# Altium PCB motherboard.PcbDoc (part 2 of 2)
Units mm, origin at the board's own origin, x right, y up, seen from the top; angles counter-clockwise.
Board outline 107.57 x 80.64 mm, 2 copper layers (Top Layer, Bottom Layer); 76 components, 68 nets, 352 pads, 475 vias.
Unrouted connection lines stored in the file: 17.
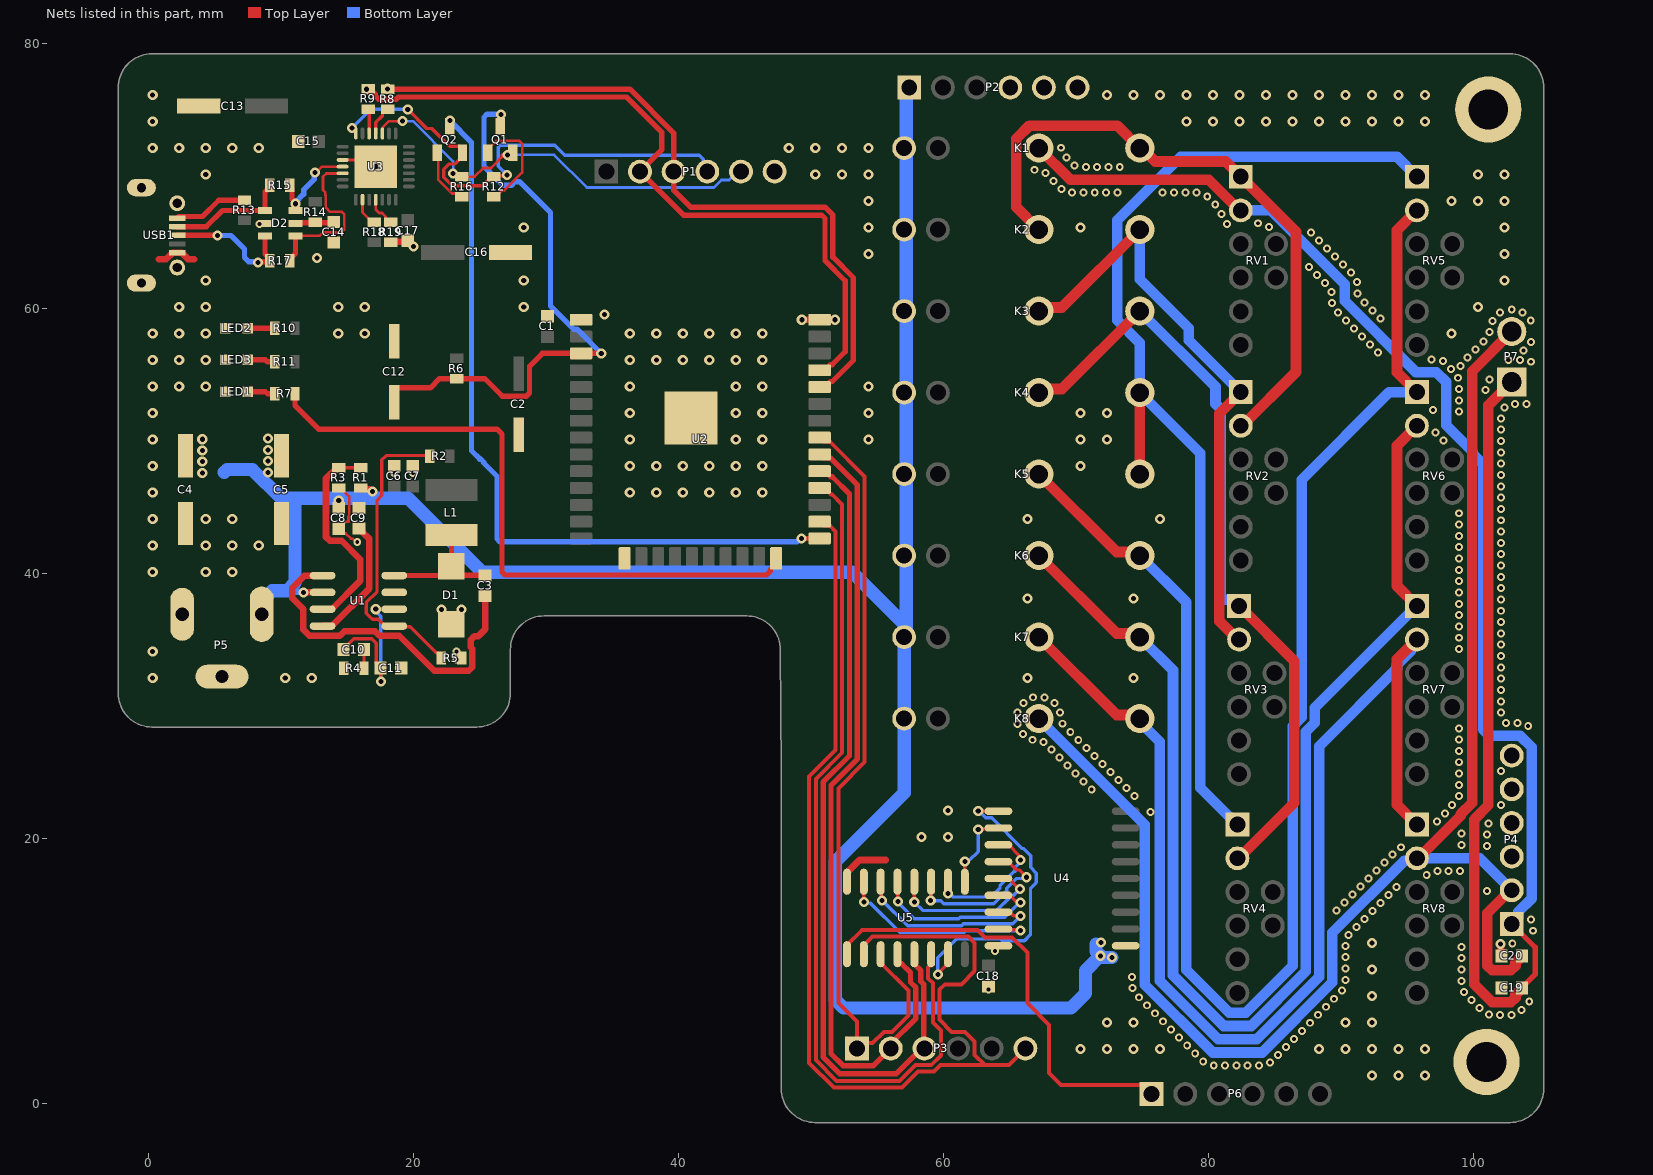
[diagram p2: the nets of this part, all layers, seen from the top]

## Via types
v1: diameter 0.6, hole 0.3, Top Layer to Bottom Layer, tented both sides, 239 vias
v2: diameter 0.762, hole 0.381, Top Layer to Bottom Layer, tented both sides, 236 vias

## Nets (pads, with @x,y where several pads share a name; then routed paths per layer and width w, separated by ;. In a path a pad name is that pad's centre, name@x,y a point inside that pad or via, vN(x,y) a via of type N, cw(c..) or ccw(c..) an arc to the next point about the centre after c; other vN are vias at no path point) (continued)
+12V: C4.1 C5.1 C8.1 K1.1 K2.1 K3.1 K4.1 K5.1 K6.1 K7.1 K8.1 P2.1 P5.1 R1.1 U1.2 U4.10 | length 170.2
  Top Layer w0.254: U4.10@72.995,11.938 U4.10@73.735,11.938
  Top Layer w0.5: C4.1@2.469,49.276 2.794,48.951 C4.1@2.794,48.925 2.794,47.95 C4.1@3.119,47.625 ; v2(11.684,38.608) U1.2@13.132,38.608 ; R1.1@16.002,46.482 16.107,46.376 16.672,46.376 16.82,46.228 v2(16.891,46.228)
  Bottom Layer w0.5: 10.463,38.735 10.553,38.645 11.647,38.645 v2(11.684,38.608)
  Bottom Layer w1: 5.715,47.667 5.927,47.879 7.84,47.879 9.999,45.72 11.049,45.72 ; P5.1@8.54,36.957 8.54,37.941 9.334,38.735 10.463,38.735 11.049,39.321 11.049,45.72 ; P2.1@57.404,76.708 57.176,76.48 57.176,35.386 K7.1@57.023,35.233 ; 71.501,12.065 71.501,11.5 v2@71.817,11.184 ; v2@71.682,11.049 v2(72.713,11.049) ; v2(71.849,11.184) v2@71.817,11.184 ; 11.049,45.72 19.584,45.72 25.172,40.132 53.086,40.132 57.023,36.195 K7.1@57.023,35.233 ; K7.1@57.023,35.233 K8.1@57.023,29.083 57.023,23.495 51.816,18.288 51.816,7.874 52.451,7.239 69.596,7.239 70.706,8.349 70.706,10.074 v2@71.817,11.184
  other v2: 71.882,12.192 14.351,45.545 4.055,47.625 9.017,47.667 4.055,48.472 9.017,48.514 4.055,49.318 9.017,49.361 4.055,50.165 9.017,50.207
CLCK: P3.1 U2.30 U5.11 | length 59.6
  Top Layer w0.3: U2.30@50.639,50.292 50.939,49.992 51.406,49.992 54.039,47.359 54.039,25.803 52.054,23.818 52.054,12.257 52.054,7.636 53.467,6.223 P3.1@53.467,4.191 53.869,4.593 54.641,4.593 55.489,5.441 56.1,5.441 57.35,6.691 57.35,8.554 55.245,10.659 U5.11@55.245,11.303
D_N: D2.4 R17.2 U3.5 | length 12.7
  Top Layer w0.2: D2.4@11.084,65.511 12.905,65.511 13.164,65.771 14.549,65.771 14.755,65.977 14.755,67.145 14.579,67.321 13.708,67.321 13.381,67.648 13.381,68.552 13.338,68.595 13.338,68.788 13.162,68.964 13.162,69.974 13.411,70.223 14.63,70.223 U3.5@14.645,70.239
  Top Layer w0.4: R17.2@10.668,63.627 10.668,63.78 11.084,64.195 D2.4@11.084,65.511
D_P: D2.6 R15.2 U3.4 | length 7.4
  Top Layer w0.2: v2(12.567,70.305) 12.662,70.305 13.096,70.739 U3.4@14.645,70.739
  Top Layer w0.4: R15.2@10.668,69.342 10.668,69.19 10.824,69.034 10.824,68.294 11.083,68.035 v2(11.083,67.937) ; D2.6@11.084,67.411 11.13,67.457 v2@11.13,67.937
  Bottom Layer w0.4: v2(11.083,67.937) 11.083,68.035 11.706,68.658 11.706,68.983 12.497,69.774 12.497,70.236 v2(12.567,70.305)
DATA: U2.27 U5.14 | length 64
  Top Layer w0.3: U2.27@50.639,46.482 51.039,46.482 51.509,46.012 51.576,46.012 52.339,45.249 52.339,26.507 50.354,24.522 50.354,3.312 51.925,1.741 56.66,1.741 57.86,2.941 59.065,2.941 59.797,3.673 59.797,5.546 59.19,6.153 59.19,9.118 58.832,9.476 58.832,10.314 59.055,10.537 U5.14@59.055,11.303
DTR: P1.4 Q2.2 R12.2 U3.28 | length 37.9
  Top Layer w0.254: v2(19.558,75.057) 21.001,73.614 21.377,73.614 22.722,72.269 23.46,72.269 23.683,72.046 23.683,71.496 23.126,70.939 22.694,70.939 22.279,70.524 22.279,69.938 22.731,69.486 22.787,69.486 22.978,69.294 25.2,69.294 25.882,69.977 R12.2@26.035,69.977 26.098,70.04 26.987,70.04 v2(27.051,70.104)
  Bottom Layer w0.254: v2(15.367,73.66) 16.764,75.057 v2(19.558,75.057) ; v2(27.051,70.104) 26.377,70.778 26.377,72.187 26.526,72.336 30.661,72.336 31.412,71.585 41.572,71.585 41.868,71.289 41.868,70.654 P1.4@42.164,70.358
EN: C12.1 Q1.3 R6.2 U2.2 | length 45
  Top Layer w0.4: C12.1@18.542,52.945 18.542,53.845 18.742,54.045 21.267,54.045 21.959,54.737 R6.2@23.241,54.737 25.368,54.737 26.687,53.418 28.506,53.418 28.74,53.652 28.74,55.664 29.718,56.642 U2.2@32.639,56.642 v2(34.163,56.642) ; Q1.3@26.543,73.771 26.571,73.799 26.571,74.629 v2(26.599,74.657)
  Bottom Layer w0.4: v2(26.599,74.657) 26.563,74.694 25.542,74.694 25.308,74.459 25.308,70.743 26.728,69.323 27.374,69.323 27.656,69.604 27.987,69.604 30.324,67.267 30.324,60.227 32.082,58.469 32.336,58.469 v2(34.163,56.642)
GND: C1.2 C2.2 C4.2 C5.2 C6.2 C7.2 C8.2 C9.2 C11.2 C12.2 C13.2 C14.2 C15.2 C16.2 C17.2 C18.2 C19.2 C20.2 D1.2 D2.2 LED1.1 LED2.1 LED3.1 P1.6 P2.4 P2.5 P2.6 P5.2 P5.3 pad.MH R3.2 R4.2 R5.2 R19.1 U1.7 U2.0 U2.14 U2.37 U2.38 U3.3 U3.29 U4.9 U5.8 USB1.0 USB1.5 | length 22.1
  Top Layer w0.2: R3.2@14.351,46.482 14.504,46.482 15.136,45.85 15.136,44.374 15.09,44.328 15.09,43.942 14.91,43.942 14.376,43.408 C8.2@14.351,43.408 14.711,43.048 14.879,43.048 15.266,42.661 15.397,42.661 15.64,42.418 v1(15.748,42.418) ; U3.3@14.645,71.239 16.645,71.239 v2(17.145,70.739) ; C9.2@15.734,45.112 C9.2@15.875,44.971 ; v1(18.542,47.625) C6.2@18.542,48.146 ; v1(19.939,47.625) C7.2@19.939,48.146
  Top Layer w0.5: 0.762,63.754 1.341,63.754 1.834,64.247 USB1.5@2.159,64.247 2.484,64.247 2.977,63.754 3.429,63.754 ; R19.1@18.288,65.024 18.345,65.081 19.64,65.081 19.984,64.737 v2(19.984,64.701) ; v2(49.295,59.182) v2(51.797,59.182) ; U5.8@52.705,16.774 52.705,17.458 53.662,18.415 55.626,18.415 ; v2(102.016,12.065) 102.055,12.026 102.055,11.216 C20.2@102.095,11.176
  other v1: 80.383,2.909 81.237,2.909 82.091,2.909 82.945,2.909 83.799,2.909 84.627,3.119 79.589,3.223 85.24,3.713 78.985,3.827 85.844,4.317 78.381,4.43 86.448,4.921 77.777,5.034 87.052,5.525 77.173,5.638 87.655,6.129 76.569,6.242 101.995,6.705 102.849,6.714 88.259,6.733 101.142,6.743 75.966,6.846 103.608,7.107 100.448,7.241 88.863,7.337 75.362,7.45 104.191,7.73 99.844,7.845 89.467,7.941 74.758,8.054 99.254,8.462 90.063,8.552 63.373,8.636 74.252,8.742 99.062,9.294 90.309,9.37 74.211,9.595 99.062,10.148 90.309,10.224 99.062,11.002 90.309,11.078 63.881,11.557 99.062,11.856 90.309,11.932 102.91,12.124 90.55,12.751 104.473,13.073 91.154,13.355 104.335,13.916 91.758,13.959 92.361,14.563 89.634,14.586 92.965,15.167 90.238,15.19 93.569,15.771 90.842,15.794 101.008,16.061 94.173,16.374 91.446,16.398 92.049,17.002 96.455,17.28 97.258,17.569 98.112,17.569 98.966,17.569 92.653,17.606 93.257,18.21 93.861,18.814 94.505,19.375 101.008,19.477 99.062,19.542 101.008,20.331 99.062,20.396 101.124,21.177 97.213,21.31 97.817,21.914 75.594,22.048 102.075,22.561 98.357,22.575 98.907,23.229 74.386,23.255 71.174,23.716 73.782,23.859 98.907,24.083 70.571,24.32 73.179,24.463 69.967,24.924 98.907,24.937 72.575,25.067 102.075,25.123 69.363,25.528 71.971,25.671 98.907,25.791 68.759,26.131 71.367,26.275 98.907,26.645 68.155,26.735 70.763,26.879 67.541,27.329 66.701,27.485 70.159,27.482 98.907,27.499 65.974,27.933 69.555,28.086 98.907,28.353 104.115,28.526 65.565,28.683 68.957,28.695 102.44,28.762 103.294,28.762 65.58,29.537 68.787,29.532 102.075,29.534 66.015,30.271 68.353,30.268 102.075,30.388 66.758,30.693 67.612,30.692 102.075,31.242 102.075,32.096 102.075,32.95 23.241,33.528 102.075,33.804 23.241,34.163 98.907,34.331 102.075,34.658 98.907,35.185 102.075,35.512 98.907,36.039 102.075,36.366 98.907,36.893 102.075,37.22 98.907,37.747 102.075,38.074 98.907,38.601 102.075,38.928 98.907,39.455 102.075,39.782 98.907,40.309 102.075,40.636 98.907,41.163 102.075,41.49 98.907,42.017 102.075,42.344 98.907,42.871 102.075,43.198 98.907,43.725 102.075,44.052 98.907,44.579 102.075,44.906 102.075,45.76 102.075,46.614 102.075,47.468 102.075,48.322 102.075,49.176 102.075,50.03 97.711,50.055 97.124,50.676 102.075,50.884 102.075,51.738 98.89,52.244 96.944,52.365 102.319,52.556 103.132,52.818 103.986,52.821 98.89,53.098 100.88,53.868 98.89,53.952 101.205,54.658 98.825,54.803 98.299,55.476 98.993,55.676 104.326,56.011 97.67,56.053 102.629,56.148 103.483,56.148 96.827,56.194 99.536,56.335 92.793,56.7 103.742,56.871 100.14,56.939 92.189,57.304 104.331,57.489 100.744,57.543 91.585,57.908 101.203,58.263 90.981,58.511 101.406,59.092 90.377,59.115 104.304,59.14 92.957,59.286 89.773,59.719 101.993,59.713 103.696,59.739 92.353,59.89 102.87,59.958 89.307,60.434 91.75,60.494 91.228,61.17 89.282,61.288 88.765,61.968 91.205,62.024 88.161,62.572 90.742,62.742 87.557,63.175 90.138,63.346 89.534,63.949 88.931,64.553 88.327,65.157 87.723,65.761 84.538,66.195 8.382,66.421 81.371,66.418 83.728,66.464 80.98,67.177 80.496,67.88 79.892,68.484 69.695,68.776 70.549,68.776 71.403,68.776 72.257,68.776 73.111,68.776 76.527,68.776 77.381,68.776 78.235,68.776 79.089,68.776 68.889,69.057 68.284,69.659 67.68,70.263 66.859,70.499 70.727,70.721 71.581,70.721 72.435,70.721 73.289,70.721 69.878,70.817 69.274,71.42 68.849,72.161
  other v2: 92.314,2.153 94.314,2.153 96.314,2.153 70.314,4.153 72.314,4.153 74.314,4.153 76.314,4.153 88.314,4.153 90.314,4.153 92.314,4.153 94.314,4.153 96.314,4.153 72.314,6.153 74.314,6.153 90.314,6.153 92.314,6.153 92.314,8.153 92.314,10.153 92.314,12.153 58.314,20.153 60.314,20.153 60.314,22.153 0.314,32.153 10.314,32.153 12.314,32.153 66.314,32.153 74.314,32.153 0.314,34.153 22.098,37.312 23.622,37.312 66.314,38.153 74.314,38.153 0.314,40.153 4.314,40.153 6.314,40.153 0.314,42.153 4.314,42.153 6.314,42.153 8.314,42.153 0.314,44.153 4.314,44.153 6.314,44.153 66.314,44.153 76.314,44.153 0.314,46.153 36.314,46.153 38.314,46.153 40.314,46.153 42.314,46.153 44.314,46.153 46.314,46.153 0.314,48.153 36.314,48.153 38.314,48.153 40.314,48.153 42.314,48.153 44.314,48.153 46.314,48.153 70.314,48.153 0.314,50.153 36.314,50.153 44.314,50.153 46.314,50.153 54.314,50.153 70.314,50.153 72.314,50.153 0.314,52.153 36.314,52.153 44.314,52.153 46.314,52.153 54.314,52.153 70.314,52.153 72.314,52.153 0.314,54.153 2.314,54.153 4.314,54.153 36.314,54.153 44.314,54.153 46.314,54.153 54.314,54.153 0.314,56.153 2.314,56.153 4.314,56.153 36.314,56.153 38.314,56.153 40.314,56.153 42.314,56.153 44.314,56.153 46.314,56.153 0.314,58.153 2.314,58.153 4.314,58.153 14.314,58.153 16.314,58.153 36.314,58.153 38.314,58.153 40.314,58.153 42.314,58.153 44.314,58.153 46.314,58.153 98.314,58.153 34.419,59.565 2.314,60.153 4.314,60.153 14.314,60.153 16.314,60.153 28.314,60.153 100.314,60.153 4.314,62.153 28.314,62.153 102.314,62.153 12.7,63.855 54.314,64.153 102.314,64.153 28.314,66.153 54.314,66.153 70.314,66.153 102.314,66.153 54.314,68.153 98.314,68.153 100.314,68.153 102.314,68.153 4.314,70.153 50.314,70.153 52.314,70.153 54.314,70.153 100.314,70.153 102.314,70.153 0.314,72.153 2.314,72.153 4.314,72.153 6.314,72.153 8.314,72.153 48.314,72.153 50.314,72.153 52.314,72.153 54.314,72.153 0.314,74.153 78.314,74.153 80.314,74.153 82.314,74.153 84.314,74.153 86.314,74.153 88.314,74.153 90.314,74.153 92.314,74.153 94.314,74.153 96.314,74.153 0.314,76.153 72.314,76.153 74.314,76.153 76.314,76.153 78.314,76.153 80.314,76.153 82.314,76.153 84.314,76.153 86.314,76.153 88.314,76.153 90.314,76.153 92.314,76.153 94.314,76.153 96.314,76.153
GPIO0: Q2.3 U2.24 | length 58
  Top Layer w0.4: Q2.3@22.733,73.771 v2(22.733,74.203) ; v2(49.276,42.672) U2.24@50.639,42.672
  Bottom Layer w0.4: v2(22.733,74.203) 24.368,72.568 24.368,49.292 25,48.66 25.058,48.66 25.292,48.426 25.292,48.368 26.289,47.371 26.289,42.652 26.523,42.418 48.924,42.418 49.178,42.672 v2(49.276,42.672)
HCEN: P3.3 U2.28 U5.13 | length 62.7
  Top Layer w0.4: U2.28@50.639,47.752 51.039,47.752 51.459,47.332 51.597,47.332 52.889,46.04 52.889,26.279 50.904,24.294 50.904,3.54 52.153,2.291 56.432,2.291 58.332,4.191 P3.3@58.547,4.191 58.505,4.233 58.505,9.025 58.282,9.248 58.282,10.067 57.785,10.564 U5.13@57.785,11.303
HCRST: P3.6 U2.25 U5.10 | length 83.3
  Top Layer w0.3: U2.25@50.639,43.942 50.939,43.642 51.406,43.642 51.839,43.209 51.839,26.714 49.854,24.729 49.854,3.105 51.718,1.241 56.867,1.241 58.067,2.441 59.272,2.441 59.772,2.941 63.109,2.941 ; U5.10@53.975,11.303 53.975,11.987 54.626,12.638 61.865,12.638 62.345,12.158 62.345,10.021 61.353,9.029 60.083,9.029 59.69,8.636 59.69,6.36 60.609,5.441 61.605,5.441 62.337,4.709 62.337,3.713 63.109,2.941 ; P3.6@66.167,4.191 64.917,2.941 63.109,2.941
LATCH: P3.2 U2.29 U5.12 | length 61.6
  Top Layer w0.4: U2.29@50.639,49.022 50.889,48.772 51.427,48.772 53.489,46.71 53.489,26.031 51.504,24.046 51.504,3.788 52.401,2.891 54.707,2.891 P3.2@56.007,4.191 56.007,4.57 57.9,6.463 57.9,8.781 57.495,9.187 57.495,9.918 56.832,10.58 56.608,10.58 56.515,10.673 U5.12@56.515,11.303
NetC3_1: C3.1 D1.1 L1.1 U1.8 | length 9.8
  Top Layer w0.4: U1.8@18.542,39.878 22.143,39.878 D1.1@22.86,40.595 ; L1.1@22.86,42.926 D1.1@22.86,40.595 ; C3.1@25.4,39.891 23.564,39.891 D1.1@22.86,40.595
NetC3_2: C3.2 U1.1 | length 26.6
  Top Layer w0.5: U1.1@13.132,39.878 13.119,39.865 11.766,39.865 10.853,38.952 10.853,38.169 11.684,37.338 11.684,35.787 12.137,35.334 14.441,35.334 14.786,35.679 17.09,35.679 17.436,35.334 18.919,35.334 21.556,32.697 24.164,32.697 24.428,32.961 24.428,34.349 24.31,34.467 24.31,35.013 24.603,35.306 24.892,35.306 25.4,35.814 C3.2@25.4,38.341
NetC9_1: C9.1 U1.4 | length 9.6
  Top Layer w0.5: U1.4@13.132,36.068 13.823,36.068 16.663,38.908 16.663,42.633 16.11,43.186 16.11,43.211 15.9,43.421 C9.1@15.875,43.421
NetC10_1: C10.1 C11.1 U1.6 | length 13
  Top Layer w0.254: C10.1@14.706,34.29 14.706,34.315 15.493,35.102 16.851,35.102 17.18,34.773 17.18,33.226 C11.1@17.513,32.893 17.526,32.88 v2(17.526,31.877) ; v2(17.145,37.338) U1.6@18.542,37.338
  Bottom Layer w0.254: v2(17.145,37.338) 17.145,37.201 17.526,36.82 v2(17.526,31.877)
NetC10_2: C10.2 R4.1 | length 1.5
  Top Layer w0.254: R4.1@16.256,32.741 R4.1@16.256,32.893 C10.2@16.256,34.29
NetC14_1: C14.1 D2.5 R14.2 | length 2.9
  Top Layer w0.4: D2.5@11.084,66.461 11.134,66.511 13.92,66.511 C14.1@13.97,66.561
NetD2_1: D2.1 R15.1 USB1.2 | length 9.2
  Top Layer w0.4: USB1.2@2.159,66.197 4.348,66.197 5.582,67.431 8.766,67.431 D2.1@8.786,67.411 8.786,68.831 9.144,69.19 R15.1@9.144,69.342
NetD2_3: D2.3 R17.1 USB1.3 | length 10.3
  Top Layer w0.4: USB1.3@2.159,65.547 5.192,65.547 v2(5.207,65.532) ; v2(8.255,63.5) 8.319,63.564 9.08,63.564 R17.1@9.144,63.627 9.144,63.78 8.786,64.138 D2.3@8.786,65.511
  Bottom Layer w0.4: v2(5.207,65.532) 6.223,65.532 7.239,64.516 7.239,63.881 7.367,63.753 7.551,63.569 8.186,63.569 v2(8.255,63.5)
NetK1_4: K1.4 K2.3 RV1.1 RV2.2 | length 48.8
  Top Layer w0.8: K2.3@67.183,65.986 65.483,67.686 65.483,72.84 66.479,73.836 73.103,73.836 K1.4@74.803,72.136 74.956,72.136 75.972,71.12 81.28,71.12 86.59,65.81 86.59,55.239 82.532,51.181 RV2.2@82.423,51.181
NetK2_4: K2.4 K3.3 RV2.1 RV3.2 | length 45.6
  Top Layer w0.8: K3.3@67.183,59.835 67.451,60.103 68.92,60.103 K2.4@74.803,65.986 ; RV3.2@82.296,35.052 82.187,35.052 80.796,36.443 80.796,52.094 RV2.1@82.423,53.721
  Bottom Layer w0.8: K2.4@74.803,65.986 74.803,62.239 78.497,58.545 78.497,57.647 RV2.1@82.423,53.721
NetK3_4: K3.4 K4.3 RV3.1 RV4.2 | length 58.7
  Top Layer w0.8: K4.3@67.183,53.685 67.451,53.953 68.92,53.953 K3.4@74.803,59.835 ; RV4.2@82.169,18.542 82.278,18.542 86.463,22.727 86.463,33.425 RV3.1@82.296,37.592
  Bottom Layer w0.8: K3.4@74.803,59.835 80.518,54.12 80.518,52.832 80.899,52.451 80.899,38.061 81.827,38.061 RV3.1@82.296,37.592
NetK4_4: K4.4 K5.4 RV4.1 RV5.1 | length 80.7
  Top Layer w0.8: K5.4@74.803,47.534 K4.4@74.803,53.685
  Bottom Layer w0.8: RV4.1@82.169,21.082 79.375,23.876 79.375,49.113 K4.4@74.803,53.685 74.803,57.431 73.103,59.131 73.103,66.69 77.89,71.477 94.212,71.477 RV5.1@95.712,69.977
NetK5_3: K5.3 K6.4 RV5.2 RV6.1 | length 117.1
  Top Layer w0.8: K5.3@67.183,47.534 73.066,41.652 74.535,41.652 K6.4@74.803,41.384 ; RV6.1@95.712,53.721 94.212,55.221 94.212,65.937 RV5.2@95.712,67.437
  Bottom Layer w0.8: K6.4@74.803,41.384 78.309,37.878 78.309,10.12 81.548,6.882 82.79,6.882 86.336,10.428 86.336,28.504 87.011,29.179 87.011,47.12 93.612,53.721 RV6.1@95.712,53.721
NetK6_3: K6.3 K7.4 RV6.2 RV7.1 | length 95.9
  Top Layer w0.8: K6.3@67.183,41.384 73.066,35.501 74.535,35.501 K7.4@74.803,35.233 ; RV7.1@95.712,37.592 94.212,39.092 94.212,49.681 RV6.2@95.712,51.181
  Bottom Layer w0.8: K7.4@74.803,35.233 77.309,32.727 77.309,9.706 81.133,5.882 83.205,5.882 87.336,10.013 87.336,13.741 87.336,28.09 88.011,28.765 88.011,29.891 RV7.1@95.712,37.592
NetK7_3: K7.3 K8.4 RV7.2 RV8.1 | length 90.1
  Top Layer w0.8: K7.3@67.183,35.233 73.066,29.351 74.535,29.351 K8.4@74.803,29.083 ; RV8.1@95.712,21.082 94.212,22.582 94.212,33.552 RV7.2@95.712,35.052
  Bottom Layer w0.8: K8.4@74.803,29.083 74.803,28.843 76.309,27.337 76.309,9.292 80.719,4.882 83.619,4.882 88.336,9.599 88.336,13.327 88.336,26.995 94.212,32.871 94.212,33.133 95.237,34.158 95.237,34.306 95.712,34.781 RV7.2@95.712,35.052
NetLED1_2: LED1.2 R7.1 | length 2.1
  Top Layer w0.4: LED1.2@7.493,53.738 8.825,53.738 8.969,53.594 R7.1@9.525,53.594
NetLED2_2: LED2.2 R10.1 | length 2
  Top Layer w0.4: LED2.2@7.493,58.547 8.969,58.547 ; 8.969,58.547 R10.1@9.525,58.547
NetLED3_2: LED3.2 R11.1 | length 2.1
  Top Layer w0.4: LED3.2@7.495,56.161 8.815,56.161 8.969,56.007 R11.1@9.525,56.007
NetQ1_1: Q1.1 R12.1 | length 8.3
  Top Layer w0.2: Q1.1@25.593,71.771 25.593,72.046 26.243,72.696 27.967,72.696 28.194,72.469 28.194,70.283 26.833,68.921 26.656,68.921 26.187,68.453 R12.1@26.035,68.453
NetQ2_1: Q2.1 R16.1 | length 4.4
  Top Layer w0.2: Q2.1@21.783,71.771 21.852,71.702 21.852,69.761 22.904,68.709 23.366,68.709 R16.1@23.622,68.453
NetR1_2: R1.2 R3.1 U1.3 | length 16
  Top Layer w0.254: R3.1@14.351,48.006 R1.2@16.002,48.006
  Top Layer w0.5: U1.3@13.132,37.338 13.823,37.338 15.963,39.478 15.963,41.109 14.574,42.498 13.68,42.498 13.393,42.784 13.393,47.2 14.199,48.006 R3.1@14.351,48.006
NetR2_2: R2.2 R5.1 U1.5 | length 23
  Top Layer w0.254: R2.2@21.209,48.895 21.171,48.933 17.922,48.933 17.599,48.61 17.599,45.935 17.24,45.576 17.24,38.669 16.437,37.866 16.437,37.045 16.895,36.586 17.333,36.586 17.851,36.068 U1.5@18.542,36.068 18.602,36.008 19.745,36.008 21.717,34.036 21.869,34.036 22.098,33.807 R5.1@22.098,33.655
NetR8_2: R8.2 U3.25 | length 2.3
  Top Layer w0.254: U3.25@17.145,73.239 17.145,74.07 17.654,74.579 17.654,74.833 17.883,75.062 R8.2@18.035,75.062
NetR9_2: R9.2 U3.26 | length 1.9
  Top Layer w0.2: R9.2@16.567,75.078 R9.2@16.645,75.001
  Top Layer w0.254: U3.26@16.645,73.239 R9.2@16.645,75.001
NetR13_2: R13.2 USB1.1 | length 5.5
  Top Layer w0.4: USB1.1@2.286,66.972 4.073,66.972 5.3,68.199 R13.2@7.239,68.199
NetR18_2: R18.2 U3.9 | length 2.1
  Top Layer w0.2: U3.9@16.144,68.239 16.144,67.269 16.865,66.548 R18.2@17.018,66.548
NetR19_2: R19.2 U3.11 | length 2.4
  Top Layer w0.2: U3.11@17.145,68.239 17.145,67.489 17.403,67.231 17.622,67.231 17.88,66.974 17.88,66.804 18.135,66.548 R19.2@18.288,66.548
NetU4_1: U4.1 U5.15 | length 24.1
  Top Layer w0.254: v2(59.563,9.779) 59.563,9.818 60.325,10.58 U5.15@60.325,11.303 ; v2(62.611,22.098) U4.1@64.135,22.098
  Bottom Layer w0.254: v2(59.563,9.779) 59.563,11.049 60.96,12.446 64.293,12.446 64.42,12.319 66.102,12.319 66.55,12.768 66.55,16.258 67.002,16.71 67.002,17.426 66.572,17.856 66.572,18.74 66.036,19.276 65.941,19.276 63.627,21.59 63.181,21.59 62.673,22.098 v2(62.611,22.098)
NetU4_2: U4.2 U5.1 | length 6.1
  Top Layer w0.254: U5.1@61.595,16.774 v2(61.595,18.288) ; v2(62.611,20.701) 62.679,20.769 64.076,20.769 U4.2@64.135,20.828
  Bottom Layer w0.254: v2(61.595,18.288) 61.692,18.385 61.946,18.385 62.611,19.05 v2(62.611,20.701)
NetU4_3: U4.3 U5.2 | length 10.3
  Top Layer w0.254: v2(60.325,15.875) U5.2@60.325,16.774 ; U4.3@64.135,19.558 64.905,19.558 65.713,18.75 65.713,18.521 v2(65.81,18.424)
  Bottom Layer w0.254: v2(60.325,15.875) 60.462,15.875 60.716,15.621 63.565,15.621 64.257,16.313 64.257,16.505 65.273,17.521 65.349,17.521 65.402,17.575 65.402,17.879 65.81,18.287 v2(65.81,18.424)
NetU4_4: U4.4 U5.3 | length 12.3
  Top Layer w0.254: v2(59.024,15.367) 59.04,15.382 59.04,16.759 U5.3@59.055,16.774 ; U4.4@64.135,18.288 64.868,18.288 65.498,17.659 65.692,17.659 v2(66.24,17.111)
  Bottom Layer w0.254: v2(59.024,15.367) 59.055,15.336 59.786,15.336 60.009,15.113 63.798,15.113 64.765,16.08 64.765,16.295 65.484,17.013 66.142,17.013 v2(66.24,17.111)
NetU4_5: U4.5 U5.4 | length 12.4
  Top Layer w0.254: v2(57.785,15.24) U5.4@57.785,16.774 ; U4.5@64.135,17.018 64.905,17.018 65.709,16.214 v2(65.762,16.214)
  Bottom Layer w0.254: v2(57.785,15.24) 58.42,14.605 64.008,14.605 65.061,15.658 65.17,15.658 65.726,16.214 v2(65.762,16.214)
NetU4_6: U4.6 U5.5 | length 13.7
  Top Layer w0.254: U5.5@56.515,16.774 56.53,16.759 56.53,15.286 v2(56.546,15.271) ; U4.6@64.135,15.748 64.988,15.748 65.44,15.295 65.691,15.295 v2(65.788,15.198)
  Bottom Layer w0.254: v2(56.546,15.271) 56.546,15.209 57.785,13.97 61.138,13.97 61.265,14.097 64.618,14.097 65.719,15.198 v2(65.788,15.198)
NetU4_7: U4.7 U5.6 | length 14.8
  Top Layer w0.254: U5.6@55.245,16.774 55.303,16.716 55.303,15.415 v2(55.362,15.357) ; U4.7@64.135,14.478 64.988,14.478 65.272,14.194 65.689,14.194 v2@65.786,14.097
  Bottom Layer w0.254: v2(55.362,15.357) 55.382,15.357 57.277,13.462 61.348,13.462 61.475,13.589 65.202,13.589 v2(65.786,14.173)
NetU4_8: U4.8 U5.7 | length 16
  Top Layer w0.254: v2(53.975,15.24) U5.7@53.975,16.774 ; U4.8@64.135,13.208 64.194,13.149 65.718,13.149 v2(65.786,13.081)
  Bottom Layer w0.254: v2(53.975,15.24) 54.047,15.168 54.473,15.168 56.686,12.954 61.559,12.954 61.686,13.081 v2(65.786,13.081)
Q*1: P6.1 U5.9 | length 33.6
  Top Layer w0.3: U5.9@52.705,11.303 52.705,11.987 53.856,13.138 62.544,13.138 63.104,12.578 65.156,12.578 66.315,11.419 66.315,7.604 67.945,5.974 67.945,2.335 68.858,1.422 75.032,1.422 P6.1@75.692,0.762
RTS: P1.5 Q1.2 R16.2 U3.24 | length 32.7
  Top Layer w0.2: U3.24@17.645,73.239 17.661,73.254 17.661,73.686 18.143,74.168 v2(19.177,74.168) ; v2(22.987,70.231) 23.368,70.231 R16.2@23.622,69.977 24.614,69.977 25.27,70.633 25.854,70.633 26.455,71.234 26.455,71.261 26.67,71.476 26.67,71.628 27.35,71.628 Q1.2@27.493,71.771
  Bottom Layer w0.2: v2(19.177,74.168) 19.939,74.168 22.987,71.12 v2(22.987,70.231) ; v2(27.085,71.628) 30.607,71.628 33.077,69.158 42.661,69.158 43.226,69.723 43.808,69.723 44.443,70.358 P1.5@44.704,70.358
RXD: P1.3 R8.1 U2.33 | length 55.1
  Top Layer w0.4: R8.1@18.035,76.586 18.034,76.587 v2(18.034,76.611) 18.059,76.586 36.317,76.586 39.624,73.279 39.624,68.961 40.908,67.677 51.053,67.677 51.639,67.091 51.639,63.906 53.178,62.367 53.178,56.103 51.597,54.522 51.459,54.522 51.039,54.102 U2.33@50.639,54.102
STAT_LED: R7.2 U2.23 | length 49.4
  Top Layer w0.4: R7.2@11.049,53.594 11.049,52.705 12.827,50.927 26.289,50.927 26.67,50.546 26.67,40.156 26.904,39.922 46.642,39.922 46.934,40.214 46.934,40.352 47.354,40.772 U2.23@47.354,41.172
TERMA: C19.1 K1.3 P4.1 P7.1 RV1.2 | length 141.7
  Top Layer w0.4: P4.1@102.87,13.589 104.633,11.826 104.633,9.776 C19.1@103.645,8.788
  Top Layer w0.8: K1.3@67.183,72.136 69.571,69.748 80.003,69.748 82.314,67.437 RV1.2@82.423,67.437 ; P7.1@102.87,54.483 101.103,52.716 101.103,22.532 100.035,21.464 100.035,9.029 101.386,7.678 102.804,7.678 103.155,8.029 103.155,8.248 103.585,8.678 103.585,8.703 C19.1@103.645,8.763 C19.1@103.645,8.788
  Bottom Layer w0.8: RV1.2@82.423,67.437 84.671,67.437 90.255,61.853 90.255,60.613 95.647,55.221 97.179,55.221 97.917,54.483 97.917,51.225 99.879,49.262 99.879,49.092 100.707,48.264 100.707,28.258 101.176,27.789 103.491,27.789 104.37,26.91 104.37,15.508 103.37,14.508 103.37,14.089 P4.1@102.87,13.589
TERMB: C20.1 K8.3 P4.2 P7.2 RV8.2 | length 115.1
  Top Layer w0.8: RV8.2@95.712,18.542 95.821,18.542 99.035,21.756 99.035,21.878 99.879,22.723 99.879,55.302 P7.2@102.87,58.293 ; P4.2@102.87,16.129 102.761,16.129 101.035,14.403 101.035,10.442 101.386,10.091 102.804,10.091 103.155,10.442 103.155,10.661 103.645,11.151 C20.1@103.645,11.176
  Bottom Layer w0.8: K8.3@67.183,29.083 75.184,21.082 75.184,9.003 80.305,3.882 84.033,3.882 89.336,9.185 89.336,12.913 94.774,18.351 95.521,18.351 RV8.2@95.712,18.542 100.457,18.542 P4.2@102.87,16.129
TERMC: P4.3
TERMD: P4.4
TERME: P4.5
TERMF: P4.6
TXD: P1.2 R9.1 U2.34 | length 56.1
  Top Layer w0.4: v2(16.44,76.577) 16.745,76.577 17.127,76.194 17.127,76.064 17.362,75.83 18.709,75.83 18.865,75.986 36.069,75.986 38.735,73.319 38.735,72.015 37.084,70.364 P1.2@37.084,70.358 40.365,67.077 50.805,67.077 51.039,66.843 51.039,63.657 52.578,62.118 52.578,56.773 51.597,55.792 51.459,55.792 51.039,55.372 U2.34@50.639,55.372
pads on no net: P3.4 P3.5 P6.2 P6.3 P6.4 P6.5 P6.6 RV1.3 RV1.4 RV1.5 RV1.6 RV2.3 RV2.4 RV2.5 RV2.6 RV3.3 RV3.4 RV3.5 RV3.6 RV4.3 RV4.4 RV4.5 RV4.6 RV5.3 RV5.4 RV5.5 RV5.6 RV6.3 RV6.4 RV6.5 RV6.6 RV7.3 RV7.4 RV7.5 RV7.6 RV8.3 RV8.4 RV8.5 RV8.6 U2.3 U2.4 U2.5 U2.6 U2.7 U2.8 U2.9 U2.10 U2.11 U2.12 U2.13 U2.15 U2.16 U2.17 U2.18 U2.19 U2.20 U2.21 U2.22 U2.26 U2.31 U2.32 U2.35 U2.36 U3.1 U3.2 U3.10 U3.12 U3.13 U3.14 U3.15 U3.16 U3.17 U3.18 U3.19 U3.20 U3.21 U3.22 U3.23 U3.27 USB1.4

## Polygon pours and split planes (outlines as drawn)
GND on Top Layer "TOP_GND" (solid, remove dead copper, pour order 0): 37.211,36.83 45.135,36.83 cw(c45.135,34.29) 47.675,34.29 47.689,29.675 47.752,25.273 47.752,1.143 ccw(c50.292,1.143) 50.292,-1.397 102.743,-1.397 ccw(c102.743,1.143) 105.283,1.143 105.283,76.708 ccw(c102.743,76.708) 102.743,79.248 0.254,79.248 ccw(c0.254,76.708) -2.286,76.708 -2.286,30.988 ccw(c0.254,30.988) 0.254,28.448 13.843,28.448 24.765,28.448 ccw(c24.765,30.988) 27.305,30.988 27.305,34.29 cw(c29.845,34.29) 29.845,36.83
GND on Bottom Layer "BOT_GND" (solid, remove dead copper, pour order 1): 37.211,36.83 45.135,36.83 cw(c45.135,34.29) 47.675,34.29 47.689,29.675 47.752,25.273 47.752,1.143 ccw(c50.292,1.143) 50.292,-1.397 102.743,-1.397 ccw(c102.743,1.143) 105.283,1.143 105.283,76.708 ccw(c102.743,76.708) 102.743,79.248 0.254,79.248 ccw(c0.254,76.708) -2.286,76.708 -2.286,30.988 ccw(c0.254,30.988) 0.254,28.448 13.843,28.448 24.765,28.448 ccw(c24.765,30.988) 27.305,30.988 27.305,34.29 cw(c29.845,34.29) 29.845,36.83

## Keep-outs
Keep-Out Layer:
  the board outline again, w0.5

## Other copper
Top Layer:
  rectangle net GND: 15.069,44.527 15.74,45.442
  rectangle net +5V: 20.601,63.72 23.812,65.445
  rectangle net +12V: 71.501,10.668 74.803,12.446
  rectangle net +3V3: 13.462,69.088 14.986,69.85
  region net +12V: 10.922,50.715 8.382,50.715 8.382,47.159 10.922,47.159
  rectangle net +12V: 2.159,47.117 4.699,50.673
Bottom Layer:
  rectangle net +3V3: 10.668,74.422 11.684,76.327
  rectangle net +3V3: 20.828,45.466 24.892,48.26
  rectangle net +12V: 4.055,47.167 9.017,50.207

## Silkscreen, mask and mechanical layers (free items; w line width, h text height)
Top Overlay:
  text "5V" at 60.407,74.133 h0.6 r90
  text "12V" at 57.791,73.633 h0.6 r90
  text "3V3" at 63.023,73.533 h0.6 r90
  text "GND" at 65.639,73.533 h0.6 r90
  text "GND" at 68.255,73.533 h0.6 r90
  text "GND" at 70.872,73.533 h0.6 r90
  text "F" at 104.986,26.078 h0.6 r90
  text "E" at 104.986,23.513 h0.6 r90
  text "D" at 104.986,20.947 h0.6 r90
  text "C" at 104.986,18.382 h0.6 r90
  text "B" at 104.986,15.816 h0.6 r90
  text "A" at 104.986,13.251 h0.6 r90
  text "CLK" at 52.953,2.54 h0.6 r270
  text "LATCH" at 55.57,2.54 h0.6 r270
  text "HCEN" at 58.186,2.54 h0.6 r270
  text "DATA" at 60.802,2.54 h0.6 r270
  text "Q*" at 63.418,2.54 h0.6 r270
  text "HCRST" at 66.034,2.54 h0.6 r270

## Dimensions
-2.032,79.121 to 0.254,28.448 on Mechanical 13
-2.159,80.645 to 105.283,76.708 on Mechanical 13

## Text inside footprints (layer, text, board x,y; h text height)
RV1: Top Overlay "SER" at 87.704,63.807 h0.9 r90
RV2: Top Overlay "SER" at 87.704,47.551 h0.9 r90
RV3: Top Overlay "SER" at 87.577,31.422 h0.9 r90
RV4: Top Overlay "SER" at 87.45,14.912 h0.9 r90
RV5: Top Overlay "SER" at 100.993,63.807 h0.9 r90
RV6: Top Overlay "SER" at 100.993,47.551 h0.9 r90
RV7: Top Overlay "SER" at 100.993,31.422 h0.9 r90
RV8: Top Overlay "SER" at 100.993,14.912 h0.9 r90